# Altium PCB main.PcbDoc (part 4 of 5) (continued)
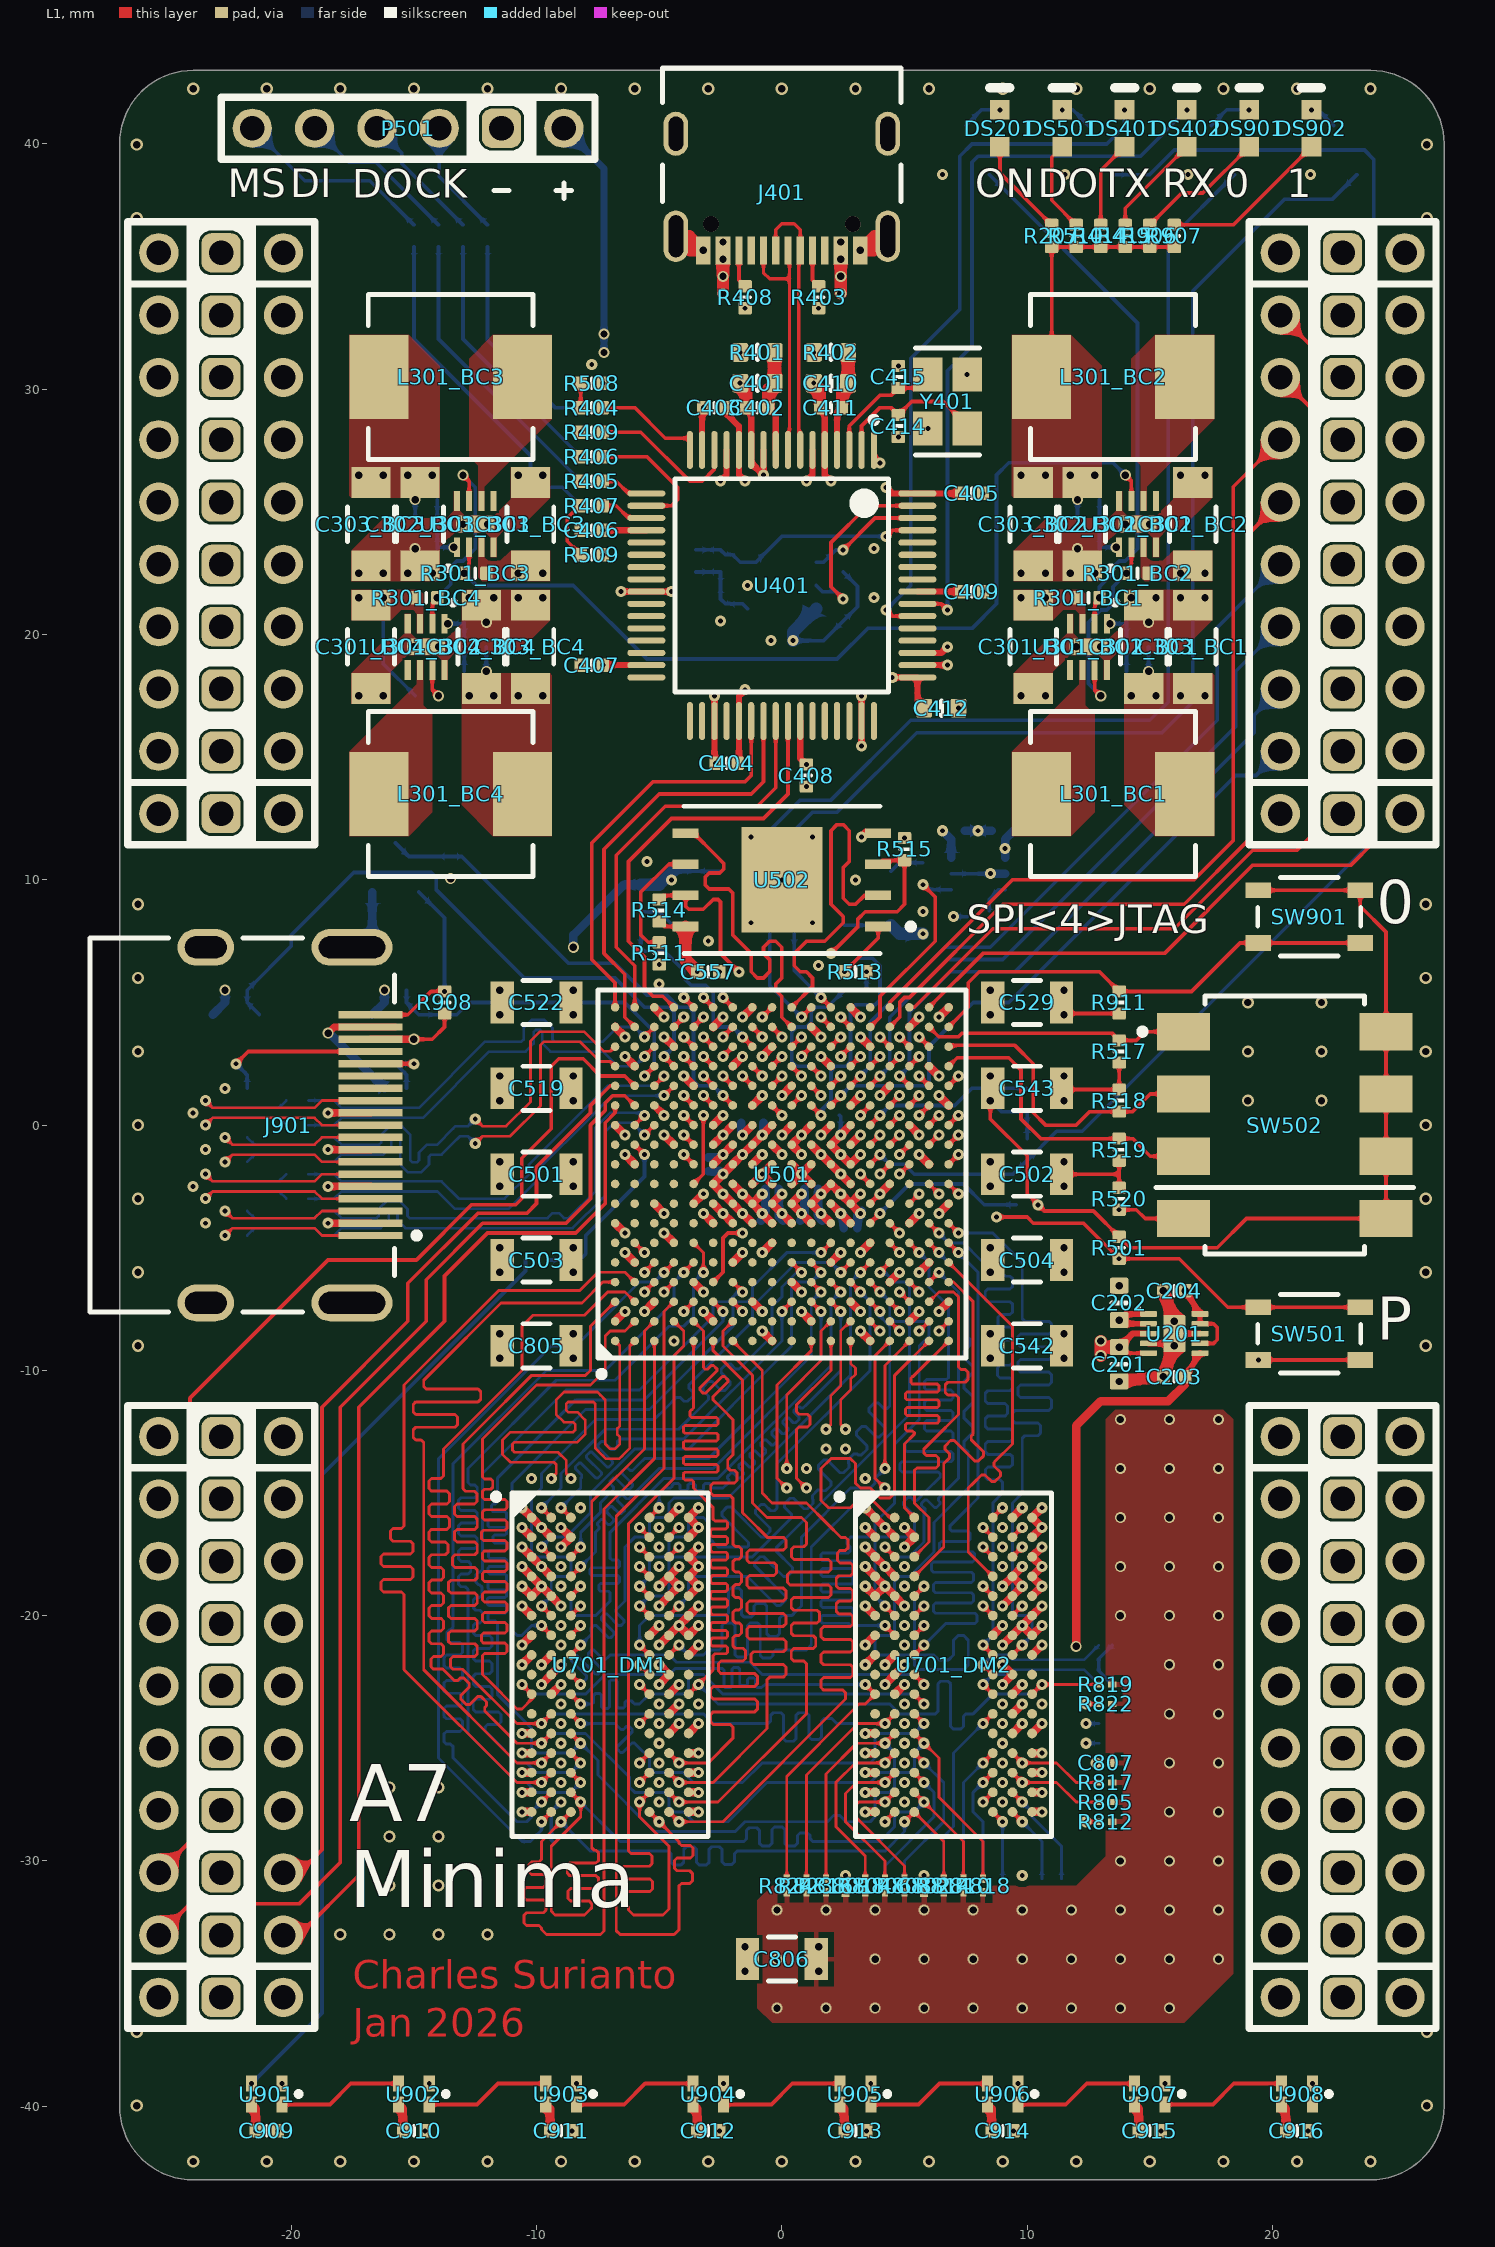
[diagram p0: L1 view]
## Nets (pads, with @x,y where several pads share a name; then routed paths per layer and width w, separated by ;. In a path a pad name is that pad's centre, name@x,y a point inside that pad or via, vN(x,y) a via of type N, cw(c..) or ccw(c..) an arc to the next point about the centre after c; other vN are vias at no path point) (continued)
  L1 w0.15: v2(-15,3.5) -14.25,3.5 -13.75,4 R908.2@-13.75,4.55 ; C502.2@11.4,-2 13.75,-2 ; C543.2@11.4,1.5 11.45,1.45 R518.2@13.75,1.45 R517.2@13.75,2.55 ; v2(11.5,4.5) 11.55,4.55 R911.2@13.75,4.55 ; R520.1@13.75,-2.55 13.75,-2 ; R519.2@13.75,-1.45 13.75,-2 ; v1(19.425,-9.575) SW501.4@23.575,-9.575
  L1 w0.25: v1(-6.55,21.75) U401.25@-5.525,21.75 v1(-4.5,21.75) ; U401.15@-3.25,27.525 -3.25,29.2 v1(-3.2,29.25) ; v1(-2.75,17.5) U401.35@-2.75,16.475 -2.75,14.8 v1(-2.7,14.75) ; v1(-2.5,26.25) -2.25,26.5 U401.13@-2.25,27.525 ; C402.2@-1.45,29.25 -1.25,29.05 U401.11@-1.25,27.525 -1.25,27 v1(-0.75,26.5) U401.10@-0.75,27.525 ; C411.2@1.55,29.25 1.75,29.05 U401.5@1.75,27.525 1.75,26.5 v1(2,26.25) ; v1(3.25,15.45) U401.47@3.25,16.475 v1(3.25,17.5) ; U401.1@3.75,27.525 3.75,27.25 v1(4,27) ; U401.51@5.525,19.25 6.5,19.25 v1(6.75,19.5) ; U201.4@14.95,-8.9 15.6,-8.9 U201.11@16,-8.5 U201.8@17.05,-8.5
  L1 w0.3: v1(-18.5,-4) J901.2@-16.765,-4 ; v1(-18.5,-2.5) J901.5@-16.765,-2.5 ; v1(-18.5,-1) J901.8@-16.765,-1 ; v1(-18.5,0.5) J901.11@-16.765,0.5 ; J901.17@-16.765,3.5 v2(-15,3.5)
  L1 w0.35: v1(-10.6,-28) U701_DM1.T1@-10.2,-28 ; v1(-10.6,-26.4) U701_DM1.P1@-10.2,-26.4 ; v1(-10.6,-24.8) U701_DM1.M1@-10.2,-24.8 ; v1(-10.6,-21.2) U701_DM1.G1@-10.2,-20.8 ; v1(-10.6,-18.8) U701_DM1.E1@-10.2,-19.2 v1(-9.8,-18.8) ; v1(-10.6,-18) U701_DM1.D1@-10.2,-18.4 v1(-9.8,-18.8) ; v1(-10.6,-16.4) U701_DM1.B1@-10.2,-16.8 ; v1(-9.8,-22.8) U701_DM1.J2@-9.4,-22.4 v1(-9,-22) ; v1(-9,-19.6) U701_DM1.E2@-9.4,-19.2 v1(-9.8,-18.8) ; v1(-9,-17.2) U701_DM1.B3@-8.6,-16.8 v1(-9,-16.4) ; U501.A2@-6.8,-8 v1(-6.4,-7.6) ; U501.A12@-6.8,0 v1(-6.4,-0.4) ; v1(-6.4,-5.2) U501.B5@-6,-5.6 ; v1(-6.4,2.8) U501.B15@-6,2.4 ; U501.C8@-5.2,-3.2 v1(-4.8,-3.6) ; U501.C18@-5.2,4.8 v1(-4.8,4.4) ; v1(-5,-22.8) U701_DM1.J8@-4.6,-22.4 v1(-5,-22) ; v1(-5,-21.2) U701_DM1.G8@-4.6,-20.8 v1(-4.2,-20.4) ; v1(-5,-19.6) U701_DM1.E8@-4.6,-19.2 v1(-4.2,-18.8) U701_DM1.D8@-4.6,-18.4 ; v1(-5,-18.8) U701_DM1.D8@-4.6,-18.4 ; v1(-4.8,-0.4) U501.D11@-4.4,-0.8 ; v1(-4.2,-18) U701_DM1.D8@-4.6,-18.4 ; v1(-4,2) U501.E14@-3.6,1.6 ; U701_DM1.T9@-3.8,-28 v1(-3.4,-28) ; U701_DM1.P9@-3.8,-26.4 v1(-3.4,-26.4) ; U701_DM1.M9@-3.8,-24.8 v1(-3.4,-24.4) ; U701_DM1.B9@-3.8,-16.8 v1(-3.4,-16.4) U701_DM1.A9@-3.8,-16 v1(-3.4,-15.6) ; U501.E4@-3.6,-6.4 v1(-3.2,-6.8) ; v1(-3.4,-20.4) U701_DM1.G9@-3.8,-20.8 v1(-4.2,-20.4) ; v1(-3.4,-19.6) U701_DM1.F9@-3.8,-20 v1(-4.2,-20.4) ; v1(-3.2,-3.6) U501.F7@-2.8,-4 ; U501.F11@-2.8,-0.8 v1(-2.4,-0.4) U501.G12@-2,0 ; U501.F17@-2.8,4 v1(-2.4,4.4) ; U501.H3@-1.2,-7.2 v1(-0.8,-7.6) ; U501.H7@-1.2,-4 v1(-1.6,-3.6) U501.G8@-2,-3.2 U501.F9@-2.8,-2.4 v1(-2.4,-2) U501.G10@-2,-1.6 v1(-1.6,-1.2) U501.H11@-1.2,-0.8 v1(-0.8,-0.4) U501.J12@-0.4,0 ; U501.H9@-1.2,-2.4 v1(-0.8,-2) ; U501.H13@-1.2,0.8 v1(-0.8,1.2) ; v1(-0.8,-5.2) U501.J6@-0.4,-4.8 ; v1(-0.8,2.8) U501.J16@-0.4,3.2 ; U501.J9@-0.4,-2.4 v1(-0.8,-2) ; U501.J10@-0.4,-1.6 v1(-0.8,-2) ; v1(0,-2.8) U501.J8@-0.4,-3.2 v1(0,-3.6) U501.K7@0.4,-4 ; U501.K9@0.4,-2.4 v1(0.8,-2) ; U501.K10@0.4,-1.6 v1(0.8,-2) ; v1(0.8,-7.6) U501.L2@1.2,-8 ; v1(0.8,-1.2) U501.K11@0.4,-0.8 v1(0.8,-0.4) U501.L12@1.2,0 ; U501.L9@1.2,-2.4 v1(0.8,-2) ; U501.L10@1.2,-1.6 v1(0.8,-2) ; v1(1.6,2.8) U501.M15@2,2.4 ; U501.M5@2,-5.6 v1(2.4,-5.2) ; U501.M7@2,-4 v1(1.6,-3.6) U501.L8@1.2,-3.2 v1(1.6,-2.8) U501.M9@2,-2.4 v1(2.4,-2.8) U501.N8@2.8,-3.2 ; U501.N12@2.8,0 v1(2.4,-0.4) U501.M11@2,-0.8 v1(2.4,-1.2) U501.N10@2.8,-1.6 v1(3.2,-1.2) ; U501.N18@2.8,4.8 v1(3.2,4.4) ; v1(3.2,-8.4) U501.P1@3.6,-8.8 ; v1(3.2,-3.6) U501.N8@2.8,-3.2 ; v1(3.2,-2.8) U501.N8@2.8,-3.2 ; v1(3.25,11.75) 3.405,11.905 U502.4@3.926,11.905 ; v1(3.4,-28) U701_DM2.T1@3.8,-28 ; v1(3.4,-26.4) U701_DM2.P1@3.8,-26.4 ; v1(3.4,-24.8) U701_DM2.M1@3.8,-24.8 ; v1(3.4,-21.2) U701_DM2.G1@3.8,-20.8 ; v1(3.4,-18.8) U701_DM2.E1@3.8,-19.2 v1(4.2,-18.8) ; v1(3.4,-18) U701_DM2.D1@3.8,-18.4 v1(4.2,-18.8) ; v1(3.4,-16.4) U701_DM2.B1@3.8,-16.8 ; v1(4,1.2) U501.R14@4.4,1.6 ; v1(4.2,-22.8) U701_DM2.J2@4.6,-22.4 v1(5,-22) ; U501.R4@4.4,-6.4 v1(4.8,-6) ; v1(5,-19.6) U701_DM2.E2@4.6,-19.2 v1(4.2,-18.8) ; v1(5,-17.2) U701_DM2.B3@5.4,-16.8 v1(5,-16.4) ; U501.T7@5.2,-4 v1(5.6,-3.6) ; U501.T17@5.2,4 v1(5.6,4.4) ; v1(5.6,-1.2) U501.U10@6,-1.6 ; v1(6.4,-7.6) U501.V3@6.8,-7.2 ; v1(6.4,1.2) U501.V13@6.8,0.8 ; v1(9,-22.8) U701_DM2.J8@9.4,-22.4 v1(9,-22) ; v1(9,-21.2) U701_DM2.G8@9.4,-20.8 v1(9.8,-20.4) ; v1(9,-19.6) U701_DM2.E8@9.4,-19.2 v1(9.8,-18.8) U701_DM2.D8@9.4,-18.4 ; v1(9,-18.8) U701_DM2.D8@9.4,-18.4 ; v1(9.8,-18) U701_DM2.D8@9.4,-18.4 ; U701_DM2.T9@10.2,-28 v1(10.6,-28) ; U701_DM2.P9@10.2,-26.4 v1(10.6,-26.4) ; U701_DM2.M9@10.2,-24.8 v1(10.6,-24.4) ; U701_DM2.B9@10.2,-16.8 v1(10.6,-16.4) U701_DM2.A9@10.2,-16 v1(10.6,-15.6) ; v1(10.6,-20.4) U701_DM2.G9@10.2,-20.8 v1(9.8,-20.4) ; v1(10.6,-19.6) U701_DM2.F9@10.2,-20 v1(9.8,-20.4)
  L1 w0.5: v1(-1.7,30.25) -1.45,30 C402.2@-1.45,29.25 ; v1(1.3,30.25) 1.55,30 C411.2@1.55,29.25 ; v2(13.75,-10.45) v2(15.55,-10.25) v2(16,-9) ; v2(15.55,-6.75) v2(16,-8) ; J401.2@-4.32,36.235 -3.775,36.235 v2(-3.2,35.66) -3.745,35.66 J401.2@-4.32,36.235 ; v2(3.2,35.66) 3.745,35.66 J401.1@4.32,36.235 3.775,36.235 v2(3.2,35.66)
  L8 w0.15: R827.2@-9.35,-29.2 -9.4,-29.15 -9.4,-28 v1(-9,-27.6) ; R516.1@2.35,0.4 2.4,0.35 v1(2.4,-0.4) ; U601.5@6.9,10.25 v1(8.5,10.25)
  L8 w0.35: Q903.2@-16.7,9.5 -16.7,7.425 J901.20@-16.525,7.25 ; C521.2@-3,-1.88 -2.52,-1.88 v1(-2.4,-2) ; v1(-0.8,-0.4) -0.75,-0.35 C524.2@-0.75,0.1 ; C512.2@-0.12,-2.6 C516.2@-0.12,-3.2 -0.12,-3.73 C508.2@0.05,-3.9 ; C513.2@1.48,-2.6 C517.2@1.48,-3.2 1.48,-3.73 C509.2@1.65,-3.9 ; C518.2@3.08,-4.2 3.08,-3.67 C510.2@3.25,-3.5 ; C603.2@7.45,12 v1(8,12) C602.2@8.55,12 ; v1(8.5,10.25) U601.2@9.1,10.25
  other v1: -20.55,-41 -14.55,-41 -8.55,-41 -2.55,-41 3.45,-41 9.45,-41 15.45,-41 21.45,-41 -20.375,-39.075 -14.375,-39.075 -8.375,-39.075 -2.375,-39.075 3.625,-39.075 9.625,-39.075 15.625,-39.075 21.625,-39.075 2.6,-30.6 5.8,-30.6 9.8,-30.6 -5,-27.6 5,-27.6 9,-27.6 -9,-26.8 -5,-26.8 5,-26.8 9,-26.8 -9,-26 -5,-26 5,-26 9,-26 12.8,-26 -9,-25.2 -5,-25.2 5,-25.2 9,-25.2 -9,-24.4 -5,-24.4 5,-24.4 9,-24.4 -9,-23.6 -5,-23.6 -3.4,-23.6 5,-23.6 9,-23.6 10.6,-23.6 -9,-21.2 5,-21.2 -9,-20.4 5,-20.4 -9,-18.8 5,-18.8 -9,-18 -5,-18 5,-18 9,-18 -5,-17.2 9,-17.2 -5,-16.4 9,-16.4 -8.2,-15.6 -10.2,-14.4 3.4,-14.4 1,-14 1.8,-13.2 2.6,-13.2 -4.4,-8.8 -23.5,-4 -2.4,-2.8 -24,-2.5 -23.5,-1 -24,0.5 -5,5.75 -2.55,6.25 1.5,6.5 -3,7.5 -1.25,8.25 1.25,8.25 5.75,8.7 0,10 3,10 -5.5,10.75 -1.25,11.75 1.25,11.75 1,13.8 7.2,17 -8.2,18.75 -0.45,19.75 3.75,21.5 8.2,21.75 -1.4,22 3.75,23.5 -8.2,24.25 8.2,25.75 4.75,28.05 5.95,28.4 7.55,30.6 4.75,30.95 -7.75,31 -1.5,33.3 1.5,33.3 6.55,38.75 11.55,38.75 16.55,38.75 21.55,38.75
  other v2: -1.5,-34.5 -1.5,-33.5 -11.5,-9.5 11.5,-9.5 -11.5,-8.5 11.5,-8.5 13.75,-6.55 -11.5,-6 11.5,-6 -11.5,-5 11.5,-5 -11.5,-2.5 11.5,-2.5 -11.5,-1.5 11.5,-1.5 -11.5,1 11.5,1 -11.5,2 11.5,2 -11.5,4.5 -11.5,5.5 11.5,5.5 -17.25,17.5 -16.25,17.5 9.75,17.5 10.75,17.5 -15,19.5 -14,19.5 12,19.5 13,19.5 -12.05,20.5 14.95,20.5 -12.75,21.5 -11.75,21.5 -10.75,21.5 -9.75,21.5 14.25,21.5 15.25,21.5 16.25,21.5 17.25,21.5 -17.25,22.5 -16.25,22.5 -15.25,22.5 -14.25,22.5 9.75,22.5 10.75,22.5 11.75,22.5 12.75,22.5 -14.95,23.5 12.05,23.5 -13,24.5 -12,24.5 14,24.5 15,24.5 -10.75,26.5 -9.75,26.5 16.25,26.5 17.25,26.5
  other v4: -24,-42.25 -21,-42.25 -18,-42.25 -15,-42.25 -12,-42.25 -9,-42.25 -6,-42.25 -3,-42.25 0,-42.25 3,-42.25 6,-42.25 9,-42.25 12,-42.25 15,-42.25 18,-42.25 21,-42.25 24,-42.25 -26.298,-39.973 26.298,-39.973 -26.298,-36.973 26.298,-36.973 -18,-33 -16,-33 -14,-33 -12,-33 -16,-31 -14,-31 -16,-29 -14,-29 -16,-27 -14,-27 -26.25,-9 26.25,-9 -26.25,-6 26.25,-6 -26.25,-3 26.25,-3 -26.25,0 26.25,0 19,1 22,1 -26.25,3 19,3 22,3 26.25,3 19,5 22,5 -26.25,6 26.25,6 -26.25,9 26.25,9 -26.298,36.973 26.298,36.973 -26.298,39.973 26.298,39.973 -24,42.25 -21,42.25 -18,42.25 -15,42.25 -12,42.25 -9,42.25 -6,42.25 -3,42.25 0,42.25 3,42.25 6,42.25 9,42.25 12,42.25 15,42.25 18,42.25 21,42.25 24,42.25
GPIO0: J1001.2 U501.H17 | length 46.6
  L1 w0.15: U501.H17@-1.2,4 v3(-0.8,3.6)
  L6 w0.15: J1001.2@-25.4,33.02 -25.4,32.385 -24.13,31.115 -24.13,29.845 -23.495,29.21 -22.225,29.21 -21.59,28.575 -21.59,27.305 -20.955,26.67 -19.685,26.67 -17.015,24 -13.125,24 -11.125,22 -9.5,22 -7.75,20.25 -7.75,18.5 -7.25,18 -7,18 -1.375,12.375 -1.125,12.375 -0.75,12 -0.75,11.75 -0.25,11.25 -0.25,11 0.8,9.95 0.8,5.8 0,5 0,4.2 -0.6,3.6 v3(-0.8,3.6)
GPIO1: J1001.3 U501.J18 | length 42.4
  L1 w0.15: v3(-0.8,4.4) U501.J18@-0.4,4.8
  L6 w0.15: J1001.3@-25.4,30.48 -25.4,29.845 -24.13,28.575 -24.13,27.305 -23.495,26.67 -22.225,26.67 -21.59,26.035 -21.59,24.765 -20.955,24.13 -19.685,24.13 -17.555,22 -16,22 -14.5,20.5 -14.5,19.25 -13.25,18 -9,18 -1,10 -1,9.75 0,8.75 0,5.8 -0.8,5 v3(-0.8,4.4)
GPIO2: J1001.4 U501.G17 | length 40.7
  L1 w0.15: v3(-2.4,3.6) U501.G17@-2,4
  L6 w0.15: J1001.4@-25.4,27.94 -25.4,27.305 -24.13,26.035 -24.13,24.765 -23.495,24.13 -22.225,24.13 -21.59,23.495 -21.59,22.225 -20.955,21.59 -19.685,21.59 -13.845,15.75 -8.75,15.75 -1.75,8.75 -1,8.75 -0.8,8.55 -0.8,5.8 -2,4.6 -2,4.2 -2.4,3.8 v3(-2.4,3.6)
GPIO3: J1001.5 U501.G18 | length 35.4
  L1 w0.15: v3(-2.4,5.2) U501.G18@-2,4.8
  L6 w0.15: J1001.5@-25.4,25.4 -25.4,24.765 -24.13,23.495 -24.13,22.225 -23.495,21.59 -22.225,21.59 -21.59,20.955 -21.59,19.685 -20.955,19.05 -19.685,19.05 -14.385,13.75 -9.25,13.75 -3.5,8 -2.75,8 -2.161,7.411 -2.161,5.439 v3(-2.4,5.2)
GPIO4: J1001.6 U501.F18 | length 32.2
  L1 w0.15: v3(-3.2,5.2) U501.F18@-2.8,4.8
  L6 w0.15: J1001.6@-25.4,22.86 -25.4,22.225 -24.13,20.955 -24.13,19.685 -23.495,19.05 -22.225,19.05 -21.59,18.415 -21.59,17.145 -20.955,16.51 -19.685,16.51 -15.175,12 -9.5,12 -4,6.5 -4,6.2 -3.2,5.4 v3(-3.2,5.2)
GPIO5: J1001.7 U501.D17 | length 30.4
  L1 w0.15: U501.D17@-4.4,4 v3(-4,4.4)
  L6 w0.15: J1001.7@-25.4,20.32 -25.4,19.685 -24.13,18.415 -24.13,17.145 -23.495,16.51 -22.225,16.51 -21.59,15.875 -21.59,14.605 -20.955,13.97 -19.685,13.97 -16.215,10.5 -10.9,10.5 -6,5.6 -5.2,4.8 -4.4,4.8 v3(-4,4.4)
GPIO6: J1001.8 U501.E16 | length 30
  L1 w0.15: v3(-4,3.6) U501.E16@-3.6,3.2
  L6 w0.15: J1001.8@-25.4,17.78 -25.4,17.145 -24.13,15.875 -24.13,14.605 -23.495,13.97 -22.225,13.97 -21.59,13.335 -21.59,11.59 -19.5,9.5 -11.5,9.5 -7.6,5.6 -6,4 -4.4,4 v3(-4,3.6)
GPIO7: J1001.9 U501.E15 | length 28.5
  L1 w0.15: v3(-4,2.8) U501.E15@-3.6,2.4
  L6 w0.15: J1001.9@-25.4,15.24 -25.4,14.605 -24.13,13.335 -24.13,11.63 -21.25,8.75 -13.5,8.75 -7.95,3.2 -7.6,3.2 -6.8,3.2 -4.4,3.2 v3(-4,2.8)
GPIO8: J1005.2 U501.F13 | length 33
  L1 w0.15: v3(-3.2,1.2) U501.F13@-2.8,0.8
  L6 w0.15: J1005.2@-25.4,-15.24 -25.4,-14.605 -24.13,-13.335 -24.13,-12.065 -23.26,-11.195 -20.5,-8.435 -20.5,-6.5 -18.4,-4.4 -15.2,-4.4 -10.8,0 -3,0 -2.8,0.2 -2.8,0.6 -3.2,1 v3(-3.2,1.2)
GPIO9: J1005.3 U501.F14 | length 38.2
  L1 w0.15: v3(-3.2,2) U501.F14@-2.8,1.6
  L6 w0.15: J1005.3@-25.4,-17.78 -25.4,-17.145 -24.13,-15.875 -24.13,-14.605 -23.495,-13.97 -22.225,-13.97 -21.59,-13.335 -21.59,-12.065 -19.75,-10.225 -19.75,-6.75 -18,-5 -14.625,-5 -11.625,-2 -10.8,-2 -9.565,-0.765 -9.3,-0.5 -8.1,-0.5 -7.8,-0.8 -3.4,-0.8 -2.6,0 -2.2,0 -2,0.2 -2,1.4 -2.2,1.6 -2.8,1.6 v3(-3.2,2)
GPIO10: J1005.4 U501.G14 | length 39
  L1 w0.15: v3(-2.4,2) U501.G14@-2,1.6
  L6 w0.15: J1005.4@-25.4,-20.32 -25.4,-19.685 -24.13,-18.415 -24.13,-17.145 -23.495,-16.51 -22.225,-16.51 -21.59,-15.875 -21.59,-14.605 -20.955,-13.97 -19.685,-13.97 -18.75,-13.035 -18.75,-11.5 -14.75,-7.5 -14.75,-6.75 -9,-1 -8.2,-1 -7.6,-1.6 -3.4,-1.6 -2.6,-0.8 -2.2,-0.8 -2,-0.6 -2,-0.2 -1.6,0.2 -1.6,1.4 -2.2,2 v3(-2.4,2)
GPIO11: J1005.5 U501.J15 | length 39.6
  L1 w0.15: U501.J15@-0.4,2.4 v5(0,2.8)
  L3 w0.15: J1005.5@-25.4,-22.86 -25.4,-22.225 -24.13,-20.955 -24.13,-19.685 -23.495,-19.05 -22.225,-19.05 -21.59,-18.415 -21.59,-17.145 -20.955,-16.51 -19.685,-16.51 -14.713,-11.538 -12.462,-9.287 -12,-8.825 -12,-8.25 -9.25,-5.5 -8.1,-5.5 -6.6,-4 -6.2,-4 -2.8,-0.6 -2.8,-0.2 -2.6,0 -2.2,0 -2,0.2 -2,0.6 -1,1.6 -0.6,1.6 -0.4,1.8 -0.4,2.4 v5(0,2.8)
GPIO12: J1005.6 U501.J14 | length 41
  L1 w0.15: U501.J14@-0.4,1.6 v5(0,2)
  L3 w0.15: J1005.6@-25.4,-25.4 -25.4,-24.765 -24.13,-23.495 -24.13,-22.225 -23.495,-21.59 -22.225,-21.59 -21.59,-20.955 -21.59,-19.685 -20.955,-19.05 -19.685,-19.05 -18.5,-17.865 -18.5,-17.3 -15.85,-14.65 -13.975,-12.775 -7.6,-6.4 -6.8,-5.6 -6.19,-5.6 -5.99,-5.4 -5.99,-5 -4.99,-4 -4.6,-4 -3.6,-3 -3.6,-2.61 -2.59,-1.6 -2.19,-1.6 -1.99,-1.4 -1.99,-0.99 -1.8,-0.8 -1.4,-0.8 -1.2,-0.6 -1.2,0.2 -0.39,1.01 -0.39,1.41 0,1.8 v5(0,2)
GPIO13: J1005.7 U501.L16 | length 45.6
  L1 w0.15: v5(0.8,2.8) U501.L16@1.2,3.2
  L3 w0.15: J1005.7@-25.4,-27.94 -25.4,-27.305 -24.13,-26.035 -24.13,-24.765 -23.495,-24.13 -22.225,-24.13 -21.59,-23.495 -21.59,-22.225 -20.955,-21.59 -19.685,-21.59 -17.75,-19.655 -17.75,-17.95 -8.8,-9 -8.2,-9 -8,-8.8 -8,-8.4 -6,-6.4 -5.4,-6.4 -5.2,-6.2 -5.2,-5.8 -5,-5.6 -4.6,-5.6 -4.4,-5.4 -4.4,-5.2 -3.2,-4 -3,-4 -2.8,-3.8 -2.8,-3.4 -2.6,-3.2 -2.2,-3.2 -2,-3 -2,-2.6 -1.8,-2.4 -1.4,-2.4 -1.2,-2.2 -1.2,-1.8 -1,-1.6 -0.6,-1.6 -0.4,-1.4 -0.4,-0.2 -0.2,0 0.2,0 0.4,0.2 0.4,2.4 v5(0.8,2.8)
GPIO14: J1005.8 U501.B14 | length 46.7
  L1 w0.15: J1005.8@-25.4,-30.48 -24.13,-29.21 -24.13,-11.13 -18.5,-5.5 -14.9,-5.5 -12.65,-3.25 -10.85,-3.25 -10.6,-3 -10.6,-1.35 -9.4,-0.15 -9.4,2.4 -9.1,2.7 -8.1,2.7 -7.4,2 -6.4,2 U501.B14@-6,1.6
GPIO15: J1005.9 U501.B13 | length 47.5
  L1 w0.15: J1005.9@-25.4,-33.02 -24.13,-31.75 -19.685,-31.75 -18,-30.065 -18,-11.5 -14.5,-8 -14.5,-6.3 -12.2,-4 -8.8,-4 -7.8,-3 -7.8,0 -7.2,0.6 -7.2,0.9 -6.9,1.2 -6.4,1.2 U501.B13@-6,0.8
GPIO16: J1002.2 U501.M17 | length 43.3
  L1 w0.15: v3(1.6,4.4) U501.M17@2,4
  L6 w0.15: J1002.2@-20.32,33.02 -15.55,28.25 -11.75,28.25 -10.25,26.75 -10.25,25.5 -7,22.25 -6.25,22.25 -6,22 -6,21.5 -1.25,16.75 -1.25,15.25 4,10 4,6.2 3,5.2 2.6,5.2 1.8,4.4 v3(1.6,4.4)
GPIO17: J1002.3 U501.K16 | length 40.8
  L1 w0.15: U501.K16@0.4,3.2 v3(0.8,3.6)
  L6 w0.15: J1002.3@-20.32,30.48 -17.09,27.25 -12.75,27.25 -3.25,17.75 -3.25,17.25 -1.75,15.75 -1.75,14.75 0.75,12.25 0.75,11.5 3,9.25 3,6 1.8,4.8 1.4,4.8 1.2,4.6 1.2,4 v3(0.8,3.6)
GPIO18: J1002.4 U501.J17 | length 39.5
  L1 w0.15: U501.J17@-0.4,4 v3(0,3.6)
  L6 w0.15: J1002.4@-20.32,27.94 -19.685,27.94 -16.745,25 -11.5,25 -6.75,20.25 -6.75,18.75 -3.25,15.25 -2.5,15.25 -2.25,15 -2.25,14.25 0.25,11.75 0.25,11.25 2.5,9 2.5,6.75 1.75,6 1.4,6 0.4,5 0.4,4.2 0,3.8 v3(0,3.6)
GPIO19: J1002.5 U501.G16 | length 37.3
  L1 w0.15: v3(-2.4,2.8) U501.G16@-2,3.2
  L6 w0.15: J1002.5@-20.32,25.4 -19.685,25.4 -17.285,23 -14,23 -13.5,22.5 -13.5,21.25 -11,18.75 -8.75,18.75 -1.875,11.875 -1.875,11.625 -1.5,11.25 -1.25,11.25 -0.5,10.5 -0.5,9.75 0.4,8.85 0.4,5.8 -0.4,5 -0.4,4.2 -0.6,4 -1,4 -1.2,3.8 -1.2,3.4 -1.4,3.2 -1.8,3.2 -2.2,2.8 v3(-2.4,2.8)
GPIO20: J1002.6 U501.F15 | length 34.2
  L1 w0.15: v3(-3.2,2.8) U501.F15@-2.8,2.4
  L6 w0.15: J1002.6@-20.32,22.86 -19.685,22.86 -14.75,17.925 -14.75,17.5 -14,16.75 -8.75,16.75 -1.25,9.25 -1,9.25 -0.4,8.65 -0.4,5.8 -1.2,5 -1.2,4.2 -1.4,4 -1.8,4 -2,3.8 -2,3.4 -2.2,3.2 -2.8,3.2 v3(-3.2,2.8)
GPIO21: J1002.7 U501.F16 | length 30.2
  L1 w0.15: v3(-3.2,3.6) U501.F16@-2.8,3.2
  L6 w0.15: J1002.7@-20.32,20.32 -19.685,20.32 -17.615,18.25 -17.25,18.25 -16.75,17.75 -16.75,17.25 -14.25,14.75 -8.75,14.75 -4.5,10.5 -4.3,10.5 -4,10.2 -4,10 -1.75,7.75 -1.75,7 -1.2,6.45 -1.2,5.8 -2.2,4.8 -2.6,4.8 -2.8,4.6 -2.8,4 v3(-3.2,3.6)
GPIO22: J1002.8 U501.E17 | length 24.9
  L1 w0.15: U501.E17@-3.6,4 v3(-3.2,4.4)
  L6 w0.15: J1002.8@-20.32,17.78 -19.685,17.78 -14.655,12.75 -9.25,12.75 -3,6.5 -3,5.8 -2.8,5.6 -2.8,5 -3.2,4.6 v3(-3.2,4.4)
GPIO23: J1002.9 U501.E18 | length 21.5
  L1 w0.15: v3(-4,5.2) U501.E18@-3.6,4.8
  L6 w0.15: J1002.9@-20.32,15.24 -19.685,15.24 -18.223,13.778 -16.222,11.777 -15.695,11.25 -15.5,11.25 -10.25,11.25 -10,11 -5.75,6.75 -5.5,6.5 -5.5,5.7 -5.4,5.6 -5,5.2 v3(-4,5.2)
GPIO24: J1006.2 U501.H14 | length 30.4
  L1 w0.15: v3(-1.6,2) U501.H14@-1.2,1.6
  L6 w0.15: J1006.2@-20.32,-15.24 -19.685,-15.24 -16.5,-12.055 -16.5,-10.5 -16.5,-10.25 -13.75,-7.5 -13.75,-6.55 -9.475,-2.275 -9.2,-2 -3.2,-2 -2.8,-1.6 -2.2,-1.6 -2,-1.4 -2,-1 -1.8,-0.8 -1.4,-0.8 -1.2,-0.6 -1.2,1.6 v3(-1.6,2)
GPIO25: J1006.3 U501.H15 | length 32.9
  L1 w0.15: U501.H15@-1.2,2.4 v3(-0.8,2)
  L6 w0.15: J1006.3@-20.32,-17.78 -19.395,-16.855 -16.02,-13.48 -15.75,-13.21 -15.75,-10.5 -12.75,-7.5 -12.75,-6.55 -11.7,-5.5 -10.7,-5.5 -7.6,-2.4 -2.2,-2.4 -2,-2.2 -2,-2 -1.6,-1.6 -1.4,-1.6 -1.2,-1.4 -1.2,-1 -1,-0.8 -0.6,-0.8 -0.4,-0.6 -0.4,1.6 v3(-0.8,2)
GPIO26: J1006.4 U501.J13 | length 33.7
  L1 w0.15: U501.J13@-0.4,0.8 v3(0,0.4)
  L6 w0.15: J1006.4@-20.32,-20.32 -15,-15 -15,-10.75 -14.75,-10.5 -10.125,-5.875 -7.45,-3.2 -2.2,-3.2 -2,-3 -2,-2.6 -1.8,-2.4 -1.6,-2.4 -1.2,-2 -1.2,-1.8 -1,-1.6 -0.6,-1.6 -0.4,-1.4 -0.4,-1 -0.2,-0.8 0.2,-0.8 0.4,-0.6 0.4,0 v3(0,0.4)
GPIO27: J1006.5 U501.K13 | length 35.3
  L1 w0.15: U501.K13@0.4,0.8 v5(0.8,1.2)
  L3 w0.15: J1006.5@-20.32,-22.86 -19.685,-22.86 -17,-20.175 -17,-18.75 -12.375,-14.125 -8.25,-10 -6,-7.75 -6,-7.4 -5.8,-7.2 -5.4,-7.2 -5.2,-7 -5.2,-6.6 -5,-6.4 -4.6,-6.4 -4.4,-6.2 -4.4,-5.8 -4.2,-5.6 -4,-5.6 -2.8,-4.4 -2.8,-4.2 -2.6,-4 -2.2,-4 -2,-3.8 -2,-3.4 -1.8,-3.2 -1.4,-3.2 -1.2,-3 -1.2,-2.602 -0.998,-2.4 -0.6,-2.4 -0.4,-2.2 -0.4,-1.8 -0.2,-1.6 0.2,-1.6 0.4,-1.4 0.4,-0.2 0.8,0.2 v5(0.8,1.2)
GPIO28: J1006.6 U501.K15 | length 38.3
  L1 w0.15: U501.K15@0.4,2.4 v5(0.8,2)
  L3 w0.15: J1006.6@-20.32,-25.4 -16.25,-21.33 -16.25,-19.05 -14.975,-17.775 -11.525,-14.325 -3.6,-6.4 -3,-6.4 -2.8,-6.2 -2.8,-5.8 -1.8,-4.8 -1.4,-4.8 -1.2,-4.6 -1.2,-4.2 -1,-4 -0.6,-4 -0.4,-3.8 -0.4,-3.4 -0.2,-3.2 0.2,-3.2 0.4,-3 0.4,-2.6 0.6,-2.4 1,-2.4 1.2,-2.2 1.2,1.6 v5(0.8,2)
GPIO29: J1006.7 U501.R12 | length 41.4
  L1 w0.15: U501.R12@4.4,0 v5(4.8,0.4)
  L3 w0.15: J1006.7@-20.32,-27.94 -15.5,-23.12 -15.5,-19.75 -10.55,-14.8 -10,-14.8 -9.8,-14.6 -9.8,-13.6 -8.475,-12.275 -5.975,-9.775 -4.2,-8 -3.8,-8 -3.6,-7.8 -3.6,-7.4 -3.4,-7.2 -3,-7.2 -1.2,-5.4 -1.2,-5 -1,-4.8 -0.6,-4.8 0.4,-3.8 0.4,-3.4 0.6,-3.2 1,-3.2 1.2,-3 1.2,-2.6 2.2,-1.6 2.6,-1.6 2.8,-1.4 2.8,-1 3,-0.8 3.4,-0.8 3.6,-0.6 3.6,-0.2 3.8,0 4.4,0 v5(4.8,0.4)
GPIO30: J1006.8 U501.A14 | length 39.3
  L1 w0.15: J1006.8@-20.32,-30.48 -19.685,-30.48 -18.75,-29.545 -18.75,-11.5 -15.25,-8 -15.25,-6.45 -12.4,-3.6 -10.4,-3.6 -10,-3.2 -10,-1.7 -7.8,0.5 -7.8,0.8 -7,1.6 U501.A14@-6.8,1.6
GPIO31: J1006.9 U501.A13 | length 41.9
  L1 w0.15: J1006.9@-20.32,-33.02 -19.685,-33.02 -17.25,-30.585 -17.25,-11.5 -13.75,-8 -13.75,-6.15 -12,-4.4 -8.4,-4.4 -7.2,-3.2 -7.2,0.1 -6.8,0.5 U501.A13@-6.8,0.8
GPIO32: J1003.2 U501.U18 | length 45.1
  L1 w0.15: U501.U18@6,4.8 8.2,7 15.6,7 19.2,10.6 23.2,10.6 24.13,11.53 24.13,12.75 24.13,31.115 23.495,31.75 21.59,31.75 J1003.2@20.32,33.02
GPIO33: J1003.3 U501.T18 | length 38.5
  L1 w0.15: U501.T18@5.2,4.8 5.4,4.8 8.6,8 16,8 19.2,11.2 21,11.2 21.59,11.79 21.59,12.25 21.59,29.21 J1003.3@20.32,30.48
GPIO34: J1003.4 U501.R18 | length 34.1
  L1 w0.15: U501.R18@4.4,4.8 4.4,5 9.4,10 16.8,10 18.4,11.6 18.4,26.02 J1003.4@20.32,27.94
GPIO35: J1003.5 U501.R17 | length 32.4
  L1 w0.15: U501.R17@4.4,4 4.8,4.4 4.8,5 5,5.2 5.2,5.2 9,9 16.4,9 19,11.6 19,24.08 J1003.5@20.32,25.4
GPIO36: J1003.6 U501.N14 | length 29.6
  L1 w0.15: U501.N14@2.8,1.6 v1(3.2,2)
  L8 w0.15: v1(3.2,2) 3.6,2.4 3.6,4.2 6.65,7.25 8.5,7.25 17.75,16.5 17.75,20.29 J1003.6@20.32,22.86
GPIO37: J1003.7 U501.P14 | length 27
  L1 w0.15: U501.P14@3.6,1.6 v1(4,2)
  L8 w0.15: v1(4,2) 4.4,2.4 4.4,4.4 6.75,6.75 9,6.75 18.5,16.25 18.5,18.5 J1003.7@20.32,20.32
GPIO38: J1003.8 U501.T14 | length 24.3
  L1 w0.15: v1(4.8,2) U501.T14@5.2,1.6
  L8 w0.15: v1(4.8,2) 5.2,2.4 5.2,4.6 6.85,6.25 9.5,6.25 19.25,16 19.25,16.71 J1003.8@20.32,17.78
GPIO39: J1003.9 U501.M13 | length 25.1
  L1 w0.15: U501.M13@2,0.8 v1(2.4,1.2)
  L8 w0.15: v1(2.4,1.2) 2.8,1.6 5.8,1.6 6,1.8 6,3.2 7.8,5 9.25,5 18.5,14.25 19.33,14.25 J1003.9@20.32,15.24
GPIO40: J1007.2 U501.V11 | length 24.6
  L1 w0.15: U501.V11@6.8,-0.8 v3(7.2,-0.4)
  L6 w0.15: v3(7.2,-0.4) 7.4,-0.4 7.8,0 9.25,0 10.25,-1 13,-1 17.8,-5.8 18.415,-6.415 18.415,-13.97 19.685,-15.24 J1007.2@20.32,-15.24
GPIO41: J1007.3 U501.T11 | length 28.4
  L1 w0.15: v3(4.8,-1.2) U501.T11@5.2,-0.8
  L6 w0.15: v3(4.8,-1.2) 5.2,-1.6 7.6,-1.6 8.2,-1 9,-1 11,-3 12.5,-3 12.75,-3.25 15.95,-6.45 16,-6.5 16,-7.25 16.6,-7.85 16.6,-8.2 16.6,-15.6 18.78,-17.78 J1007.3@20.32,-17.78
GPIO42: J1007.4 U501.T10 | length 29.4
  L1 w0.15: v3(4.8,-2) U501.T10@5.2,-1.6
  L6 w0.15: v3(4.8,-2) 8.8,-2 9.75,-2.95 9.75,-3.35 10.15,-3.75 11.15,-3.75 13.4,-6 14.2,-6 15,-6.8 15,-7.2 15,-16.25 19.07,-20.32 J1007.4@20.32,-20.32
GPIO43: J1007.5 U501.R10 | length 31.4
  L1 w0.15: v3(4,-2) U501.R10@4.4,-1.6
  L6 w0.15: v3(4,-2) 4.4,-2.4 7.4,-2.4 8.2,-3.2 9,-3.2 11.3,-5.5 11.75,-5.5 13.5,-7.25 14.05,-7.25 14.25,-7.45 14.25,-16.5 14.25,-17.5 19.61,-22.86 J1007.5@20.32,-22.86
GPIO44: J1007.6 U501.U14 | length 38.9
  L1 w0.15: v5(5.6,2) U501.U14@6,1.6
  L3 w0.15: v5(5.6,2) 6,1.6 7,1.6 8.1,0.5 14.75,0.5 18.415,-3.165 18.415,-24.13 19.685,-25.4 J1007.6@20.32,-25.4
GPIO45: J1007.7 U501.R13 | length 41.9
  L1 w0.15: U501.R13@4.4,0.8 v5(4.8,1.2)
  L3 w0.15: v5(4.8,1.2) 5.2,0.8 5.8,0.8 6,0.6 6,0.2 6.2,0 7.4,0 7.9,-0.5 13.75,-0.5 17,-3.75 17,-6.67 17,-7.25 16.51,-7.74 16.51,-19 16.51,-25 16.51,-25.71 18.74,-27.94 J1007.7@20.32,-27.94
GPIO46: J1007.8 U501.U13 | length 42
  L1 w0.15: v5(5.6,0.4) U501.U13@6,0.8
  L3 w0.15: v5(5.6,0.4) 5.6,0.2 6,-0.2 6,-0.6 6.2,-0.8 7.55,-0.8 7.75,-1 13.25,-1 15,-2.75 15,-7.25 15,-12.75 15,-25.9 19.58,-30.48 J1007.8@20.32,-30.48
GPIO47: J1007.9 U501.R11 | length 43.8
  L1 w0.15: U501.R11@4.4,-0.8 v5(4.8,-0.4)
  L3 w0.15: v5(4.8,-0.4) 5.2,-0.8 5.8,-0.8 7,-2 13.2,-2 14.25,-3.05 14.25,-14 14.25,-18.75 14.25,-27.35 19.92,-33.02 J1007.9@20.32,-33.02
GPIO48: J1004.2 U501.N17 | length 41.8
  L1 w0.15: v5(2.4,4.4) U501.N17@2.8,4
  L3 w0.15: v5(2.4,4.4) 2.8,4.8 3.4,4.8 4.2,5.6 6.1,7.5 8.25,7.5 18,17.25 18,24.985 19.685,26.67 20.955,26.67 21.59,27.305 21.59,28.575 22.225,29.21 23.495,29.21 24.13,29.845 24.13,31.115 25.4,32.385 J1004.2@25.4,33.02
GPIO49: J1004.3 U501.M16 | length 40.6
  L1 w0.15: U501.M16@2,3.2 v5(2.4,3.6)
  L3 w0.15: v5(2.4,3.6) 2.8,4 3.4,4 3.6,4.2 3.6,4.4 4.8,5.6 5.95,6.75 9,6.75 19.05,16.8 19.05,23.495 19.685,24.13 20.955,24.13 21.59,24.765 21.59,26.035 22.225,26.67 23.495,26.67 24.13,27.305 24.13,28.575 25.4,29.845 J1004.3@25.4,30.48
GPIO50: J1004.4 U501.N16 | length 42
  L1 w0.15: v5(2.4,2.8) U501.N16@2.8,3.2
  L3 w0.15: v5(2.4,2.8) 2.8,3.2 3.4,3.2 3.6,3.4 3.6,3.8 3.8,4 4,4 6,6 15.5,6 21.59,12.09 21.59,23.495 22.225,24.13 23.495,24.13 24.13,24.765 24.13,26.035 25.4,27.305 J1004.4@25.4,27.94
GPIO51: J1004.5 U501.N15 | length 39.5
  L1 w0.15: U501.N15@2.8,2.4 v5(3.2,2.8)
  L3 w0.15: v5(3.2,2.8) 3.4,2.8 3.8,3.2 4.2,3.2 4.4,3.4 4.4,3.8 5.6,5 7.6,5 17.25,5 24.13,11.88 24.13,23.495 25.4,24.765 J1004.5@25.4,25.4
GPIO52: J1004.6 U501.R16 | length 31.8
  L1 w0.15: v3(4,3.6) U501.R16@4.4,3.2
  L6 w0.15: v3(4,3.6) 5.65,5.25 6.45,5.25 6.8,5.6 7.45,6.25 9.425,6.25 14.462,11.287 17.338,14.163 19.685,16.51 20.955,16.51 21.59,17.145 21.59,18.415 22.225,19.05 23.495,19.05 24.13,19.685 24.13,20.955 25.4,22.225 J1004.6@25.4,22.86